# Altium PCB PexCardVer0.1.PcbDoc (part 1 of 3) (continued)
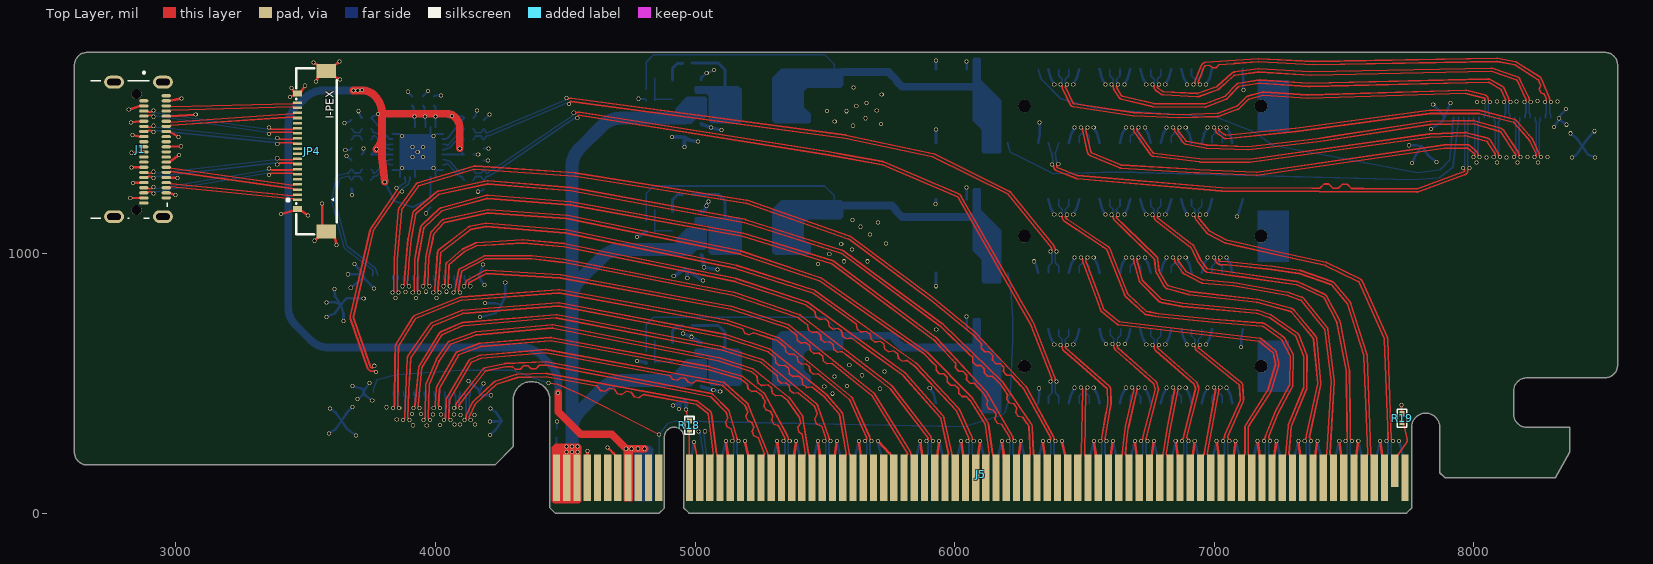
[diagram p0: Top Layer view]
## Nets (pads, with @x,y where several pads share a name; then routed paths per layer and width w, separated by ;. In a path a pad name is that pad's centre, name@x,y a point inside that pad or via, vN(x,y) a via of type N, cw(c..) or ccw(c..) an arc to the next point about the centre after c; other vN are vias at no path point)
GND: C1.1 C2.1 C3.1 C4.1 C5.1 C6.1 C7.1 C8.1 C9.2 C11.1 C12.1 C14.2 C15.2 C16.2 C18.1 C19.1 C21.2 C22.2 C23.2 C25.1 C26.1 C28.2 C29.2 J1.A2 J1.A5 J1.A8 J1.A11 J1.A14 J1.A17 J1.A20 J1.B2 J1.B5 J1.B8 J1.B11 J1.B14 J1.B17 J1.B20 J2.A4 J2.A12 J2.A15 J2.A18 J2.A20 J2.A23 J2.A24 J2.A27 J2.A28 J2.A31 J2.B4 J2.B7 J2.B13 J2.B16 J2.B18 J2.B21 J2.B22 J2.B25 J2.B26 J2.B29 J2.B32 J2.SH1 J3.A4 J3.A12 J3.A15 J3.A18 J3.A20 J3.A23 J3.A24 J3.A27 J3.A28 J3.A31 J3.B4 J3.B7 J3.B13 J3.B16 J3.B18 J3.B21 J3.B22 J3.B25 J3.B26 J3.B29 J3.B32 J3.SH1 J4.A4 J4.A12 J4.A15 J4.A18 J4.A20 J4.A23 J4.A24 J4.A27 J4.A28 J4.A31 J4.B4 J4.B7 J4.B13 J4.B16 J4.B18 J4.B21 J4.B22 J4.B25 J4.B26 J4.B29 J4.B32 J4.SH1 J5.A4 J5.A12 J5.A15 J5.A18 J5.A20 J5.A23 J5.A24 J5.A27 J5.A28 J5.A31 J5.A34 J5.A37 J5.A38 J5.A41 J5.A42 J5.A45 J5.A46 J5.A49 J5.A51 J5.A54 J5.A55 J5.A58 J5.A59 J5.A62 J5.A63 J5.A66 J5.A67 J5.A70 J5.A71 J5.A74 J5.A75 J5.A78 J5.A79 J5.A82 J5.B4 J5.B7 J5.B13 J5.B16 J5.B18 J5.B21 J5.B22 J5.B25 J5.B26 J5.B29 J5.B32 J5.B35 J5.B36 J5.B39 J5.B40 J5.B43 J5.B44 J5.B47 J5.B49 J5.B52 J5.B53 J5.B56 J5.B57 J5.B60 J5.B61 J5.B64 J5.B65 J5.B68 J5.B69 J5.B72 J5.B73 J5.B76 J5.B77 J5.B80 JP1.21 JP1.22 JP1.23 JP1.24 JP2.21 JP2.22 JP2.23 JP2.24 JP3.21 JP3.22 JP3.23 JP3.24 JP4.21 JP4.22 JP4.23 JP4.24 R9.2 R10.2 R11.2 R12.2 R13.2 R14.2 R15.2 R16.2 R17.1 R18.2 R19.2 R21.2 R23.2 R25.2 U1.1 U1.8 U1.9 U1.13 U1.16 U1.17 U1.24 U1.31 U1.33 U2.1 U3.1 U4.1 | length 19260.5
  Top Layer w6.38: v1(4966,400) 4971.35,361.38 R18.2@4978,354.73 ; v1(4996,274) 5007.01,222.89 J5.B13@5017.82,136.08 5017.82,193.56 J5.B13@5022,197.74 ; v1(7721,416) 7721,384.73 R19.2@7723,382.73
  Top Layer w10: v1(2819,1554) 2865.54,1568.32 J1.A2@2877.35,1568.32 ; v1(2825,1213) 2865.54,1213.99 J1.A20@2877.35,1213.99 ; v1(2827,1505) 2865.54,1509.27 J1.A5@2877.35,1509.27 ; v1(2829,1332) 2865.54,1332.1 J1.A14@2877.35,1332.1 ; v1(2830,1388) 2865.54,1391.16 J1.A11@2877.35,1391.16 ; v1(2833,1456) 2865.54,1450.21 J1.A8@2877.35,1450.21 ; v1(2835,1272) 2865.54,1273.05 J1.A17@2877.35,1273.05 ; J1.B20@2963.57,1233.68 2975.38,1233.68 v1(2999,1225) ; J1.B17@2963.57,1292.73 2975.38,1292.73 v1(3007.15,1290.7) ; J1.B14@2963.57,1351.79 2975.38,1351.79 v1(3013,1379) ; J1.B11@2963.57,1410.84 2975.38,1410.84 v1(3021,1413) ; J1.B8@2963.57,1469.9 2975.38,1469.9 v1(3011,1449) ; J1.B5@2963.57,1528.95 2975.38,1528.95 v1(3077,1535) ; J1.B2@2963.57,1588.01 2975.38,1588.01 v1(3023,1597) ; v1(3406.13,1152) 3456.77,1165.73 JP4.23@3469.49,1171.56 3482.21,1165.73 v1(3509,1147) ; v1(3440,1603) 3456.77,1610.61 JP4.21@3469.49,1616.43 ; v1(3446,1638) 3456.77,1622.26 JP4.21@3469.49,1616.43 ; v1(3498,1646) 3482.21,1622.26 JP4.21@3469.49,1616.43 ; v1(3530,1735) 3548.11,1725.61 JP4.22@3580.51,1703.06 ; v1(3535,1049) 3548.11,1062.39 JP4.24@3580.51,1084.94 ; v1(3541,1662) 3548.11,1680.5 JP4.22@3580.51,1703.06 ; v1(3564,1193) 3564,1107.5 JP4.24@3580.51,1084.94 ; v1(3620,1033) 3612.91,1062.39 JP4.24@3580.51,1084.94 ; v1(3631,1740) 3612.91,1725.61 JP4.22@3580.51,1703.06 ; v1(3632,1670) 3612.91,1680.5 JP4.22@3580.51,1703.06 ; J5.B4@4584.75,136.08 4586,221.08 v1(4586,240) ; v1(4663,253) 4681.22,235.08 4686.49,229.8 4693.86,221.08 J5.B7@4702.86,136.08 ; v1(5119.01,278) 5126.93,221.08 J5.B16@5135.93,136.08 ; v1(5192.22,278) 5205.67,221.08 J5.B18@5214.67,136.08 ; v1(5315.86,278) 5323.78,221.08 J5.B21@5332.78,136.08 ; J5.B22@5372.15,136.08 5381.15,221.08 v1(5389.07,278) ; v1(5473.34,278) 5481.26,221.08 J5.B25@5490.26,136.08 ; J5.B26@5529.63,136.08 5538.63,221.08 v1(5546.55,278) ; v1(5630.82,278) 5638.74,221.08 J5.B29@5647.74,136.08 ; v1(5704.03,278) 5749.48,229.8 5756.85,221.08 J5.B32@5765.85,136.08 ; v1(5867.04,278) 5874.96,221.08 J5.B35@5883.96,136.08 ; J5.B36@5923.33,136.08 5932.33,221.08 v1(5940.25,278) ; v1(6024.52,278) 6032.44,221.08 J5.B39@6041.44,136.08 ; J5.B40@6080.81,136.08 6089.81,221.08 v1(6097.73,278) ; v1(6182,278) 6189.92,221.08 J5.B43@6198.92,136.08 ; J5.B44@6238.29,136.08 6247.29,221.08 v1(6255.21,278) ; v1(6339.48,278) 6347.4,221.08 J5.B47@6356.4,136.08 ; v1(6412.69,278) 6426.14,221.08 J5.B49@6435.14,136.08 ; v1(6536.33,278) 6544.25,221.08 J5.B52@6553.25,136.08 ; J5.B53@6592.62,136.08 6601.62,221.08 v1(6609.54,278) ; v1(6693.81,278) 6701.73,221.08 J5.B56@6710.73,136.08 ; J5.B57@6750.1,136.08 6759.1,221.08 v1(6767.02,278) ; v1(6851.29,278) 6859.21,221.08 J5.B60@6868.21,136.08 ; J5.B61@6907.58,136.08 6916.58,221.08 v1(6924.5,278) ; v1(7008.77,278) 7016.69,221.08 J5.B64@7025.69,136.08 ; J5.B65@7065.06,136.08 7074.06,221.08 v1(7081.98,278) ; v1(7166.25,278) 7174.17,221.08 J5.B68@7183.17,136.08 ; J5.B69@7222.54,136.08 7231.54,221.08 v1(7239.47,278) ; v1(7323.73,278) 7331.65,221.08 J5.B72@7340.65,136.08 ; J5.B73@7380.02,136.08 7389.02,221.08 v1(7396.95,278) ; v1(7481.21,278) 7489.13,221.08 J5.B76@7498.13,136.08 ; J5.B77@7537.5,136.08 7546.5,221.08 v1(7554.43,278) ; v1(7638.69,278) 7646.61,221.08 J5.B80@7655.61,136.08
  Bottom Layer w6.38: R17.1@4467,325.73 4468,326.73 v1(4468,353) ; J2.B18@6560.43,710.46 J2.B18@6560.53,710.36 ; J2.B21@6675.91,707.83 J2.B21@6678.54,710.46
  Bottom Layer w8: v1(3650,1503) 3671.16,1508.62 R13.2@3677,1514.46 ; v1(3653,1399) 3671.16,1399.69 R14.2@3677,1405.54 ; v1(3657,1375) 3671.16,1364.31 R15.2@3677,1358.46 ; v1(3704,1548) 3711.72,1527.84 C1.1@3717.57,1522 ; C5.1@3717.57,1381.6 3723,1387.44 v1(3723,1404) ; U1.17@3835.5,1322.09 3862.73,1322.09 3870.65,1330 v1(3871,1330) ; U1.24@3835.5,1459.91 3862.73,1459.91 3870.65,1452 v1(3871,1452) ; U1.16@3863.09,1294.5 3863.09,1321.73 ; v1(3894,1623) 3904.16,1611.28 C2.1@3910,1605.43 ; U1.13@3922.16,1294.5 3922.16,1381.15 v1(3932,1391) ; C6.1@3952,1605.43 3957.84,1611.28 v1(3971,1626) ; v1(3964,1155) 3975.16,1171.72 C4.1@3981,1177.57 ; 3981.22,1432.78 U1.31@3981.22,1487.5 ; v1(3993,1330) 3993.35,1330 4001.27,1322.09 U1.8@4028.5,1322.09 ; v1(3993,1452) 3993.35,1452 4001.27,1459.92 U1.1@4028.5,1459.92 ; C3.1@3994,1605.43 3999.84,1609 v1(4022,1609) ; U1.9@4000.91,1294.5 4000.91,1321.73 ; C7.1@4146.11,1381 v1(4165,1381) ; C8.1@4146.11,1522 4151.95,1527.84 v1(4161,1550) ; v1(4164,1238) 4166.95,1238.86 4180.16,1242.69 R12.2@4186,1248.54 ; R11.2@4186,1357.46 v1(4203.46,1357.46) ; R10.2@4186,1404.54 v1(4204.54,1404.54) ; R9.2@4186,1513.46 4191.84,1519.31 v1(4208,1535) ; v1(4782,1596) 4805.92,1595.84 R25.2@4811.76,1590
  Bottom Layer w10: v1(3580,812) 3613.28,812 JP2.22@3635.84,802.99 ; v1(3581,756) 3613.28,770.59 JP2.22@3635.84,802.99 ; v1(3590,307) 3615.39,323.09 JP3.22@3637.95,355.49 ; v1(3594,403) 3615.39,387.89 JP3.22@3637.95,355.49 ; v1(3611,863) 3613.28,835.39 JP2.22@3635.84,802.99 ; v1(3646,740) 3646,770.59 JP2.22@3635.84,802.99 ; v1(3664,920) 3716.63,920 JP2.21@3722.46,914.01 ; v1(3674,868) 3716.63,901.29 JP2.21@3722.46,914.01 ; R16.2@3677,1249.54 3679,1244.69 v1(3679,1226) ; v1(3681,409) 3660.5,387.89 JP3.22@3637.95,355.49 ; v1(3681,489) 3718.74,479.23 JP3.21@3724.57,466.51 ; v1(3689,959) 3716.63,926.73 JP2.21@3722.46,914.01 ; v1(3695,299) 3660.5,323.09 JP3.22@3637.95,355.49 ; v1(3700,439) 3718.74,453.79 JP3.21@3724.57,466.51 ; v1(3724,827) 3658.4,827 JP2.22@3635.84,802.99 ; v1(3746,502) 3730.39,479.23 JP3.21@3724.57,466.51 ; v1(3757,434) 3730.39,453.79 JP3.21@3724.57,466.51 ; v1(3764,865) 3728.29,901.29 JP2.21@3722.46,914.01 ; v1(4127.89,508.2) 4163.62,479.23 JP3.23@4169.44,466.51 ; v1(4171.42,754.99) 4231.39,770.59 JP2.24@4253.95,802.99 ; v1(4183.72,957.63) 4173.17,926.73 JP2.23@4167.34,914.01 4173.17,901.29 v1(4189,879) ; v1(4186,499) 4175.27,479.23 JP3.23@4169.44,466.51 ; v1(4191,809) 4231.39,809 JP2.24@4253.95,802.99 ; v1(4210,353) 4233.5,353 JP3.24@4256.06,355.49 ; v1(4211,301) 4233.5,323.09 JP3.24@4256.06,355.49 ; v1(4213,403) 4233.5,387.89 JP3.24@4256.06,355.49 ; v1(4215,454) 4175.27,454 JP3.23@4169.44,466.51 ; v1(4269,889) 4269,835.39 JP2.24@4253.95,802.99 ; J5.A4@4584.75,136.08 4593.75,221.08 4585.37,221.08 4585.37,239.37 v1(4586,240) ; J5.A12@4978.45,136.08 4987.45,221.08 v1(4996,274) ; U4.1@5023,1668.4 5023.42,1672.26 5023.42,1676.95 5026.72,1680.26 v1(5045,1695) v1(5073,1706) ; J5.A15@5096.56,201 5105.56,221.08 v1(5119.01,278) ; v1(5192.22,278) 5205.67,221.08 J5.A18@5214.67,136.08 ; J5.A20@5293.41,216 5302.41,221.08 v1(5315.86,278) ; v1(5389.07,278) 5402.52,221.08 J5.A23@5411.52,136.08 ; J5.A24@5450.89,136.08 5459.89,221.08 v1(5473.34,278) ; v1(5546.55,278) 5560,221.08 J5.A27@5569,136.08 ; J5.A28@5608.37,136.08 5617.37,221.08 v1(5630.82,278) ; v1(5704.03,278) 5717.48,221.08 J5.A31@5726.48,136.08 ; J5.A34@5844.59,136.08 5853.59,221.08 v1(5867.04,278) ; v1(5903.89,481.96) 5919.2,458.64 J2.A4@5927.98,424.27 ; v1(5926,1191) 5927.98,1192.98 J3.B4@5927.98,1208.73 ; J2.B4@5927.98,707.73 v1(5929,706.71) ; v1(5927.98,874.02) J3.A4@5927.98,925.27 ; J4.A4@5927.98,1426.27 v1(5927.98,1477.98) ; J4.B4@5927.98,1709.73 v1(5927.98,1744.02) ; v1(5940.25,278) 5953.7,221.08 J5.A37@5962.7,136.08 ; J5.A38@6002.07,136.08 6011.07,221.08 v1(6024.52,278) ; J2.B7@6046.09,707.73 v1(6046.09,757.91) ; J3.B7@6046.09,1208.73 v1(6046.09,1254.91) ; J4.B7@6046.09,1709.73 v1(6046.09,1739.91) ; v1(6097.73,278) 6111.18,221.08 J5.A41@6120.18,136.08 ; J5.A42@6159.55,136.08 6168.55,221.08 v1(6182,278) ; v1(6255.21,278) 6268.66,221.08 J5.A45@6277.66,136.08 ; v1(6305,970) 6312.9,959.64 J3.A12@6321.68,925.27 ; J5.A46@6317.03,136.08 6326.03,221.08 v1(6339.48,278) ; J2.A12@6321.68,424.27 6325,458.64 v1(6325,481) ; J4.A12@6321.68,1426.27 6327,1460.64 v1(6327,1505) ; J2.B13@6361.05,707.73 6369.83,673.36 6369.87,673.29 v1(6383.5,649) ; J3.B13@6361.05,1208.73 6369.83,1174.36 6369.87,1174.29 v1(6383.5,1150) ; J4.B13@6361.05,1709.73 6369.83,1675.36 6369.87,1675.29 v1(6383.5,1651) ; v1(6412.69,278) 6426.14,221.08 J5.A49@6435.14,136.08 ; J2.A15@6439.79,424.27 6448.57,458.64 6448.61,458.71 v1(6462.24,483) ; J3.A15@6439.79,925.27 6448.57,959.64 6448.61,959.71 v1(6462.24,984) ; J4.A15@6439.79,1426.27 6448.57,1460.64 6460.25,1481.46 v1(6462.24,1485) ; v1(6456.71,649) 6470.34,673.29 6470.38,673.36 J2.B16@6479.16,707.73 ; v1(6456.71,1150) 6470.34,1174.29 6470.38,1174.36 J3.B16@6479.16,1208.73 ; v1(6456.71,1651) 6470.34,1675.29 6470.38,1675.36 J4.B16@6479.16,1709.73 ; J5.A51@6513.88,136.08 6522.88,221.08 v1(6536.33,278) ; v1(6535.45,483) 6549.08,458.71 6549.12,458.64 J2.A18@6557.9,424.27 ; v1(6535.45,984) 6549.08,959.71 6549.12,959.64 J3.A18@6557.9,925.27 ; v1(6535.45,1485) 6537.44,1481.46 6549.12,1460.64 J4.A18@6557.9,1426.27 ; J2.B18@6557.9,707.73 6566.68,673.36 6569.25,669.93 v1(6582.88,651.73) ; J3.B18@6557.9,1208.73 6566.68,1174.36 6566.72,1174.29 v1(6580.35,1150) ; J4.B18@6557.9,1709.73 6566.68,1675.36 6566.72,1675.29 v1(6580.35,1651) ; v1(6609.54,278) 6622.99,221.08 J5.A54@6631.99,136.08 ; J2.A20@6636.64,424.27 6645.42,458.64 6645.46,458.71 v1(6659.09,483) ; J3.A20@6636.64,925.27 6645.42,959.64 6645.46,959.71 v1(6659.09,984) ; J4.A20@6636.64,1426.27 6645.42,1460.64 6645.46,1460.71 v1(6659.09,1485) ; v1(6653.56,1150) 6667.19,1174.29 6667.23,1174.36 J3.B21@6676.01,1208.73 ; v1(6653.56,1651) 6667.19,1675.29 6667.23,1675.36 J4.B21@6676.01,1709.73 ; v1(6656.08,651.73) 6667.23,673.36 6669.71,683.09 J2.B21@6676.01,707.73 ; J5.A55@6671.36,136.08 6680.36,221.08 v1(6693.81,278) ; J2.B22@6715.38,707.73 6724.16,673.36 6724.2,673.29 v1(6737.83,649) ; J3.B22@6715.38,1208.73 6724.16,1174.36 6724.2,1174.29 v1(6737.83,1150) ; J4.B22@6715.38,1709.73 6724.16,1675.36 6724.2,1675.29 v1(6737.83,1651) ; v1(6732.3,483) 6745.93,458.71 6745.97,458.64 J2.A23@6754.75,424.27 ; v1(6732.3,984) 6745.93,959.71 6745.97,959.64 J3.A23@6754.75,925.27 ; v1(6732.3,1485) 6745.93,1460.71 6745.97,1460.64 J4.A23@6754.75,1426.27 ; v1(6767.02,278) 6780.47,221.08 J5.A58@6789.47,136.08 ; J2.A24@6794.12,424.27 6802.9,458.64 6802.94,458.71 v1(6816.57,483) ; J3.A24@6794.12,925.27 6802.9,959.64 6802.94,959.71 v1(6816.57,984) ; J4.A24@6794.12,1426.27 6802.9,1460.64 6802.94,1460.71 v1(6816.57,1485) ; v1(6811.04,649) 6824.67,673.29 6824.71,673.36 J2.B25@6833.49,707.73 ; v1(6811.04,1150) 6824.67,1174.29 6824.71,1174.36 J3.B25@6833.49,1208.73 ; v1(6811.04,1651) 6824.67,1675.29 6824.71,1675.36 J4.B25@6833.49,1709.73 ; J5.A59@6828.84,136.08 6837.84,221.08 v1(6851.29,278) ; J2.B26@6872.86,707.73 6881.64,673.36 6881.68,673.29 v1(6895.31,649) ; J3.B26@6872.86,1208.73 6881.64,1174.36 6881.68,1174.29 v1(6895.31,1150) ; J4.B26@6872.86,1709.73 6881.64,1675.36 6881.68,1675.29 v1(6895.31,1651) ; v1(6889.78,483) 6903.41,458.71 6903.45,458.64 J2.A27@6912.23,424.27 ; v1(6889.78,984) 6903.41,959.71 6903.45,959.64 J3.A27@6912.23,925.27 ; v1(6889.78,1485) 6903.41,1460.71 6903.45,1460.64 J4.A27@6912.23,1426.27 ; v1(6924.5,278) 6937.95,221.08 J5.A62@6946.95,136.08 ; J2.A28@6951.6,424.27 6960.38,458.64 6960.42,458.71 v1(6974.05,483) ; J3.A28@6951.6,925.27 6960.38,959.64 6960.42,959.71 v1(6974.05,984) ; J4.A28@6951.6,1426.27 6960.38,1460.64 v1(6974.05,1485) ; v1(6968.52,649) 6982.15,673.29 6982.19,673.36 J2.B29@6990.97,707.73 ; v1(6968.52,1150) 6982.15,1174.29 6982.19,1174.36 J3.B29@6990.97,1208.73 ; v1(6968.52,1651) 6982.15,1675.29 6982.19,1675.36 J4.B29@6990.97,1709.73 ; J5.A63@6986.32,186 6995.32,221.08 v1(7008.77,278) ; v1(7047.26,483) 7060.89,458.71 7060.93,458.64 J2.A31@7069.71,424.27 ; v1(7047.26,984) 7060.89,959.71 7060.93,959.64 J3.A31@7069.71,925.27 ; v1(7047.26,1485) 7060.89,1460.71 7060.93,1460.64 J4.A31@7069.71,1426.27 ; v1(7081.98,278) 7095.43,221.08 J5.A66@7104.43,136.08 ; v1(7088,1142) 7100.3,1174.36 J3.B32@7109.08,1208.73 ; v1(7103,640) 7103,673.36 J2.B32@7109.08,707.73 ; J4.B32@7109.08,1709.73 7112,1675.36 v1(7112,1629) ; J5.A67@7143.8,136.08 7152.8,221.08 v1(7166.25,278) ; v1(7239.47,278) 7252.91,221.08 J5.A70@7261.91,136.08 ; J5.A71@7301.28,136.08 7310.28,221.08 v1(7323.73,278) ; v1(7396.95,278) 7410.39,221.08 J5.A74@7419.39,136.08 ; J5.A75@7458.76,136.08 7467.76,221.08 v1(7481.21,278) ; v1(7554.43,278) 7567.87,221.08 J5.A78@7576.87,136.08 ; J5.A79@7616.24,136.08 7625.24,221.08 v1(7638.69,278) ; v1(7711.91,278) 7725.35,221.08 J5.A82@7734.35,136.08 ; v1(7749,1417) 7776.39,1417 JP1.22@7798.94,1412.49 ; v1(7762,1348) 7776.39,1380.09 JP1.22@7798.94,1412.49 ; v1(7835,1479) 7879.74,1510.79 JP1.21@7885.56,1523.51 ; v1(7843,1574) 7879.74,1536.23 JP1.21@7885.56,1523.51 ; v1(7855,1352) 7821.5,1380.09 JP1.22@7798.94,1412.49 ; v1(7909,1580) 7891.39,1536.23 JP1.21@7885.56,1523.51 ; v1(8308,1487) 8324.62,1510.79 v1(8328,1521) ; v1(8354,1556) 8336.27,1536.23 8329.61,1523.96 v1(8328,1521) ; v1(8356,1496) 8336.27,1510.79 v1(8328,1521) ; v1(8371,1463) 8394.5,1444.89 JP1.24@8417.06,1412.49 ; v1(8378,1369) 8394.5,1380.09 JP1.24@8417.06,1412.49 ; v1(8464,1471) 8439.61,1444.89 JP1.24@8417.06,1412.49 ; v1(8466,1370) 8439.61,1380.09 JP1.24@8417.06,1412.49
  Bottom Layer w15: v1(4776,1063) 4809.42,1081.66 R23.2@4811.76,1084 ; v1(4777,586) 4809.42,581.34 R21.2@4811.76,579 ; v1(4911,1448) 4944.5,1448 C25.1@4962,1446.2 ; v1(4915,415) C11.1@4944.5,425.2 ; v1(4918,913) 4944.5,930.2 C18.1@4962,940.2 ; v1(4938,401) C11.1@4944.5,425.2 ; v1(4953.38,691.71) 4953.7,691.58 4985.45,679.38 v1(4985.82,679.23) 5016.16,658.76 U2.1@5023,657.4 ; v1(4959,1410) 4959,1436.2 C25.1@4962,1446.2 ; v1(4966,400) 4966,425.2 C11.1@4962,435.2 C11.1@4944.5,425.2 ; v1(4970,905) 4970,930.2 C18.1@4962,940.2 ; v1(5012,1431) 4979.5,1436.2 C25.1@4962,1446.2 ; U3.1@5023,1162.4 5035.19,1163.76 5043.86,1183.67 v1(5044,1184) 5044.16,1184.36 5051.37,1200.6 v1(5051.51,1200.92) ; C12.1@5025,488.57 5027.34,486.22 v1(5070.35,474.07) 5070.61,474.01 5070.98,473.93 5072.42,473.6 5096.37,468.14 v1(5097,468) ; C19.1@5025,993.57 5027.34,991.22 v1(5034,947) v1(5087,938) ; C26.1@5025,1499.57 5027.34,1497.22 v1(5060.87,1485.11) v1(5102,1475) ; v1(5030,896) 4979.5,930.2 C18.1@4962,940.2
  other v1: 3966.68,337.86 3913.57,338.61 4017.56,340.28 4073.87,340.78 4095.38,341.09 4152.75,340.9 3851.37,360.46 4151.17,378.41 4071.2,379.29 4097.56,378.71 4021.03,380.15 3909.77,381.43 3990.3,380.58 3945.23,381.59 3812.05,408 5530,460 5712,479 5497.58,487.99 5585,490 5537,526 5643,531 5729,545 5594,571 5663,594 3846.47,828.86 3925.21,828.86 4003.95,828.86 3884.98,852.39 3964.58,852.86 4043.32,852.86 5473,960 5573,970 5664,970 5517,998 5604,1015 5563,1036 5736,1039 5674.24,1073.76 5638,1103 5705,1119 5607,1129 8009.57,1349.86 8088.31,1349.86 8167.06,1349.86 8245.8,1349.86 8125,1369 8049,1370 3912.31,1371.31 3951.69,1371.31 8206,1371 8282.41,1371 3912.31,1410.69 3951.69,1410.69 5608.18,1491.9 5717,1498 5538,1508 5657,1521 5583,1548 5508.87,1549.4 5700,1551 5621,1568 5660,1579 8012.33,1584 8164.28,1585.08 8321.75,1585.13 8088,1586 8245,1587 5719,1613 5610,1639
NetC10_1: C10.1 U2.6 | length 92.6
  Bottom Layer w11.81: U2.6@4913,657.4 4913,702 4932.58,721.58 4950.87,721.58 C10.1@4952.28,723
NetC10_2: C10.2 L1.1 U2.2 | length 287.7
  Bottom Layer w11.81: C10.2@4987.72,723 5090,723 5115,698 5115,562.89 L1.1@5117.89,560 ; U2.2@5012.17,620 U2.2@5023,620
NetC13_1: C13.1 R20.2 R21.1 U2.4 | length 153
  Bottom Layer w6: R21.1@4845.23,579 R21.1@4845.48,579.25 ; R20.2@4845.48,663 R21.1@4845.48,579.25 ; U2.4@4913,582.6 4848.82,582.6 R21.1@4845.48,579.25
NetC17_1: C17.1 U3.6 | length 92.6
  Bottom Layer w11.81: U3.6@4913,1162.4 4913,1207 4932.58,1226.58 4950.87,1226.58 C17.1@4952.28,1228
NetC17_2: C17.2 L2.1 U3.2 | length 287.7
  Bottom Layer w11.81: C17.2@4987.72,1228 5090,1228 5115,1203 5115,1067.89 L2.1@5117.89,1065 ; U3.2@5012.17,1125 U3.2@5023,1125
NetC20_1: C20.1 R22.2 R23.1 U3.4 | length 153
  Bottom Layer w6: R23.1@4845.23,1084 R23.1@4845.48,1084.25 ; R22.2@4845.48,1168 R23.1@4845.48,1084.25 ; U3.4@4913,1087.6 4848.82,1087.6 R23.1@4845.48,1084.25
NetC24_1: C24.1 U4.6 | length 92.6
  Bottom Layer w11.81: U4.6@4913,1668.4 4913,1713 4932.58,1732.58 4950.87,1732.58 C24.1@4952.28,1734
NetC24_2: C24.2 L3.1 U4.2 | length 287.7
  Bottom Layer w11.81: C24.2@4987.72,1734 5090,1734 5115,1709 5115,1573.89 L3.1@5117.89,1571 ; U4.2@5012.17,1631 U4.2@5023,1631
NetC27_1: C27.1 R24.2 R25.1 U4.4 | length 153
  Bottom Layer w6: R25.1@4845.23,1590 R25.1@4845.48,1590.25 ; R24.2@4845.48,1674 R25.1@4845.48,1590.25 ; U4.4@4913,1593.6 4848.82,1593.6 R25.1@4845.48,1590.25
NetJ5_A1: J5.A1 R17.2 | length 128.8
  Bottom Layer w6.38: J5.A1@4466.64,163.63 4466.64,291.91 R17.2@4467,292.27
NetJ5_B12: J5.B12 R18.1 | length 185.4
  Top Layer w6.38: R18.1@4978,321.27 4978,136.52 J5.B12@4978.45,136.08
NetJ5_B81: J5.B81 R19.1 | length 202.2
  Top Layer w6.38: J5.B81@7694.98,163.63 7705.79,222.94 7739.22,270 ccw(c7723.72,281) 7742.28,285.07 7729.65,342.62 R19.1@7723,349.27
NVME_CLKREQ#: J4.B12 JP1.20 | length 1868.4
  Bottom Layer w6: J4.B12@6321.68,1709.73 6332.46,1673.36 6408.85,1596.17 6410.82,1595 6550.46,1558.14 7009.07,1525.07 7156.31,1466.28 7224.92,1416.78 7782.19,1310.98
  Bottom Layer w6.38: 7782.19,1310.98 7854.93,1320.96 7869.76,1323 7871.52,1324.53 7907.2,1360.44 7908.87,1381 7919.26,1508.97 JP1.20@7920.99,1523.5
NVME_PERST#: J4.A11 JP1.19 | length 1969.4
  Bottom Layer w6.38: J4.A11@6203.57,1426.27 6214.16,1390.09 6380.92,1307.08 6383.04,1307.06 6625.18,1314 7768.32,1284.02 7866.56,1291.23 7915.93,1330 7919.31,1332.76 7937.02,1491.76 7938.94,1508.97 JP1.19@7940.68,1523.5
NVME_REFCLK_N: J4.A14 JP1.18 | length 1931.3
  Top Layer w6.38: v1(6398.89,1344.77) 6395.05,1340.31 ccw(c6399.88,1336.15) 6397.53,1330.22 6473.06,1300.24 7028.76,1253.02 ccw(c7029.29,1259.38) 7029.25,1253 7375.95,1251.29 7406.07,1251.14 7422.71,1267.62 7440.71,1267.53 7457.19,1250.89 7476.99,1250.79 7493.64,1267.27 7511.64,1267.18 7528.12,1250.54 7536.94,1250.49 7574.92,1250.31 7777.97,1249.3 7780.54,1249.29 ccw(c7780.6,1255.67) 7782.76,1249.67 ; 7782.79,1249.68 7959.82,1314.33 ; v1(7958,1329) 7962.16,1324.82 cw(c7957.64,1320.32) 7959.83,1314.33
  Bottom Layer w6.38: 6386.92,1384.71 ccw(c6393.3,1384.74) 6387.02,1383.64 6392.03,1354.84 cw(c6373.55,1351.63) 6392.25,1353.05 cw(c6379.91,1352.09) 6392.26,1352.99 ccw(c6398.62,1353.45) 6394.44,1348.63 v1(6398.89,1344.77) ; 6386.92,1384.74 cw(c6393.3,1384.74) 6389.83,1390.09 J4.A14@6400.42,1426.27 ; v1(7958,1329) 7958,1331.41 7964.02,1337.42 7964.02,1507.06 7960.36,1510.7 JP1.18@7960.36,1523.5
NVME_REFCLK_P: J4.A13 JP1.17 | length 1942.8
  Top Layer w6.38: v1(6374.54,1343) 6378.99,1339.14 cw(c6374.81,1334.32) 6381.17,1334.81 ccw(c6399.88,1336.15) 6392.96,1318.71 6468.48,1288.73 ccw(c6473.06,1300.24) 6471.94,1287.91 ccw(c6473.06,1300.24) 6472.01,1287.9 7027.72,1240.68 ccw(c7029.29,1259.38) 7029.19,1240.62 7780.46,1236.91 ccw(c7780.6,1255.67) 7787.03,1238.05 7964.07,1302.7 ccw(c7957.64,1320.32) 7976.4,1320.32 cw(c7982.77,1320.32) 7978.25,1324.82 v1(7982.41,1329)
  Bottom Layer w6.38: J4.A13@6361.05,1426.27 J4.A13@6371.64,1390.09 ; J4.A13@6371.66,1390.07 cw(c6368.16,1384.74) 6374.54,1384.74 ccw(c6393.3,1384.74) 6374.82,1381.52 6379.83,1352.72 cw(c6373.55,1351.63) 6379.91,1352.09 ; v1(6374.54,1343) 6378.38,1347.47 ccw(c6373.55,1351.63) 6379.91,1352.07 ; JP1.17@7980.05,1523.5 7980.05,1510.7 7976.4,1507.06 7976.4,1337.42 7982.41,1331.41 v1(7982.41,1329)
NVME_RX0_N: J4.B15 JP1.13 | length 1861.7
  Top Layer w6.38: v1(6432.31,1650.32) 6428.15,1646.15 ccw(c6432.67,1641.64) 6426.93,1638.85 6455.24,1580.65 ccw(c6460.98,1583.44) 6460.01,1577.14 6687.67,1543.05 ; 6687.69,1543.05 ccw(c6688.62,1549.36) 6688.33,1542.98 6863.75,1535.01 ccw(c6864.04,1541.38) 6864.26,1535.01 7011.98,1539.97 ccw(c7011.77,1546.34) 7013.96,1540.35 7085.67,1566.52 ; 7085.68,1566.52 ccw(c7083.45,1572.5) 7087.96,1567.98 7121.82,1601.82 ; 7121.84,1601.84 cw(c7135.08,1588.55) 7130.02,1606.62 7183.6,1621.62 cw(c7186.94,1609.7) 7183.75,1621.66 cw(c7188.62,1603.55) 7189.87,1622.27 7275.85,1616.35 7359,1610.63 ccw(c7359.44,1616.99) 7359.66,1610.62 7966.56,1628.96 cw(c7966.94,1616.58) 7966.75,1628.96 cw(c7967.09,1610.2) 7971.69,1628.39 8040.94,1610.87 cw(c8036.38,1592.68) 8055.14,1592.68 ccw(c8061.52,1592.68) 8056.99,1588.18 v1(8061.15,1584)
  Bottom Layer w6.38: v1(6432.31,1650.32) 6432.31,1652.73 6426.29,1658.74 6426.29,1670.65 6439.79,1684.14 J4.B15@6439.79,1709.73 ; JP1.13@8058.78,1523.5 8058.78,1536.3 8055.14,1539.94 8055.14,1575.58 8061.15,1581.59 v1(8061.15,1584)
NVME_RX0_P: J4.B14 JP1.14 | length 1861.7
  Top Layer w6.38: v1(6407.9,1650.32) 6412.05,1646.15 cw(c6407.53,1641.64) 6413.91,1641.64 ccw(c6432.67,1641.64) 6415.8,1633.44 6444.11,1575.24 ccw(c6460.98,1583.44) 6458.16,1564.9 6685.84,1530.8 ccw(c6688.62,1549.36) 6687.77,1530.62 6863.19,1522.64 ccw(c6864.04,1541.38) 6864.67,1522.64 7012.4,1527.59 ccw(c7011.77,1546.34) 7018.2,1528.72 7089.92,1554.89 ccw(c7085.67,1566.52) 7090.05,1554.94 ccw(c7083.45,1572.5) 7096.71,1559.23 7130.57,1593.06 cw(c7135.08,1588.55) 7133.36,1594.69 7186.94,1609.7 cw(c7188.62,1603.55) 7189.06,1609.91 7275,1604 ; 7275.05,1604 7358.15,1598.28 ccw(c7359.44,1616.99) 7360.06,1598.24 7966.94,1616.58 cw(c7967.09,1610.2) 7968.65,1616.39 8037.91,1598.87 cw(c8036.38,1592.68) 8040.9,1588.18 v1(8036.74,1584)
  Bottom Layer w6.38: J4.B14@6400.42,1709.73 6400.42,1684.14 6413.91,1670.65 6413.91,1658.74 6407.9,1652.73 v1(6407.9,1650.32) ; v1(8036.74,1584) 8036.74,1581.59 8042.76,1575.58 8042.76,1539.94 8039.1,1536.3 JP1.14@8039.1,1523.5
NVME_RX1_N: J4.B20 JP1.9 | length 1756.5
  Top Layer w6.38: v1(6629.16,1650.32) 6625,1646.15 ccw(c6629.52,1641.64) 6624.05,1638.36 6642,1608.47 ; 6642.03,1608.43 ccw(c6647.47,1611.76) 6645.99,1605.55 6763.32,1578.16 ; 6763.34,1578.15 ccw(c6764.77,1584.37) 6764.73,1577.99 6962.78,1576.01 ccw(c6962.85,1582.39) 6965.16,1576.45 7040.63,1605.47 ccw(c7038.34,1611.43) 7043,1607.07 7083.49,1650.39 cw(c7092.54,1641.93) 7083.55,1650.44 cw(c7097.19,1637.56) 7094.33,1656.11 7172.41,1668.13 cw(c7174.3,1655.89) 7172.56,1668.15 cw(c7175.24,1649.58) 7176.59,1668.29 7363.56,1655.37 ; 7363.58,1655.37 ccw(c7364,1661.74) 7364.15,1655.36 8054.23,1671.96 cw(c8054.53,1659.58) 8054.35,1671.96 cw(c8054.67,1653.2) 8063.92,1669.52 8108.98,1643.98 cw(c8102.87,1633.21) 8109.2,1643.85 cw(c8099.68,1627.68) 8116.84,1635.25 8132.28,1600.25 cw(c8115.11,1592.68) 8133.88,1592.68 ccw(c8140.26,1592.68) 8135.73,1588.18 v1(8139.89,1584)
  Bottom Layer w6.38: v1(6629.16,1650.32) 6629.16,1652.73 6623.14,1658.74 6623.14,1670.65 6636.64,1684.14 J4.B20@6636.64,1709.73 ; JP1.9@8137.52,1523.5 8137.52,1536.3 8133.88,1539.94 8133.88,1575.58 8139.89,1581.59 v1(8139.89,1584)
NVME_RX1_P: J4.B19 JP1.10 | length 1756.5
  Top Layer w6.38: v1(6604.75,1650.32) 6608.9,1646.15 cw(c6604.38,1641.64) 6610.76,1641.64 ccw(c6629.52,1641.64) 6613.44,1631.99 6631.39,1602.1 6631.44,1602.02 ccw(c6647.47,1611.76) 6643.15,1593.5 6760.5,1566.1 ccw(c6764.77,1584.37) 6764.64,1565.61 6962.66,1563.63 6962.73,1563.63 ccw(c6962.85,1582.39) 6969.61,1564.89 7045.07,1593.92 ccw(c7038.34,1611.43) 7052.04,1598.62 7092.54,1641.93 cw(c7097.19,1637.56) 7096.21,1643.87 7174.3,1655.89 cw(c7175.24,1649.58) 7175.71,1655.94 7362.7,1643.02 ; 7362.73,1643.02 7362.78,1643.02 ccw(c7364,1661.74) 7364.45,1642.98 8054.53,1659.58 cw(c8054.67,1653.2) 8057.82,1658.75 8102.87,1633.21 cw(c8099.68,1627.68) 8105.51,1630.26 8120.95,1595.25 cw(c8115.11,1592.68) 8119.64,1588.18 v1(8115.48,1584)
  Bottom Layer w6.38: J4.B19@6597.27,1709.73 6597.27,1684.14 6610.76,1670.65 6610.76,1658.74 6604.75,1652.73 v1(6604.75,1650.32) ; v1(8115.48,1584) 8115.48,1581.59 8121.49,1575.58 8121.49,1539.94 8117.85,1536.3 JP1.10@8117.85,1523.5
NVME_RX2_N: J4.B24 JP1.5 | length 1680.5
  Top Layer w6.38: v1(6786.64,1650.32) 6782.48,1646.15 ccw(c6787,1641.64) 6783.39,1636.38 6801.01,1624.31 ccw(c6804.62,1629.57) 6804.28,1623.2 6933.71,1616.07 ; 6933.73,1616.07 ccw(c6934.06,1622.44) 6936.22,1616.44 ; 6936.23,1616.44 7008.83,1642.58 ccw(c7006.64,1648.57) 7010.91,1643.83 7067.53,1694.68 cw(c7080.05,1680.71) 7077.63,1699.31 7168.8,1711.2 cw(c7170.4,1698.92) 7168.97,1711.22 cw(c7171.18,1692.59) 7172.31,1711.32 7371.48,1699.37 ccw(c7371.86,1705.74) 7371.99,1699.36 8064.87,1713.98 cw(c8065.13,1701.6) 8064.99,1713.98 cw(c8065.25,1695.22) 8071.35,1712.96 8166.27,1680.64 cw(c8162.28,1668.92) 8166.46,1680.58 cw(c8160.19,1662.9) 8177.1,1671.01 8210.76,1600.81 cw(c8193.85,1592.68) 8212.61,1592.68 ccw(c8219,1592.68) 8214.47,1588.18 v1(8218.63,1584)
  Bottom Layer w6.38: v1(6786.64,1650.32) 6786.64,1652.73 6780.62,1658.74 6780.62,1670.65 6794.12,1684.14 J4.B24@6794.12,1709.73 ; JP1.5@8216.26,1523.5 8216.26,1536.3 8212.61,1539.94 8212.61,1575.58 8218.63,1581.59 v1(8218.63,1584)
NVME_RX2_P: J4.B23 JP1.6 | length 1680.5
  Top Layer w6.38: v1(6762.23,1650.32) 6766.38,1646.15 cw(c6761.86,1641.64) 6768.24,1641.64 ccw(c6787,1641.64) 6776.39,1626.17 6794.01,1614.1 ccw(c6804.62,1629.57) 6803.61,1610.83 6933.03,1603.71 ccw(c6934.06,1622.44) 6940.42,1604.79 7013.02,1630.93 ; 7013.03,1630.93 ccw(c7008.83,1642.58) 7013.08,1630.95 ccw(c7006.64,1648.57) 7019.18,1634.62 7075.8,1685.47 ; 7075.81,1685.48 cw(c7080.05,1680.71) 7079.23,1687.04 7170.4,1698.92 cw(c7171.18,1692.59) 7171.59,1698.96 7370.74,1687.02 ccw(c7371.86,1705.74) 7372.25,1686.99 8065.13,1701.6 cw(c8065.25,1695.22) 8067.3,1701.26 8162.28,1668.92 cw(c8160.19,1662.9) 8165.92,1665.69 ; 8165.93,1665.69 8199.6,1595.45 cw(c8193.85,1592.68) 8198.38,1588.18 v1(8194.22,1584)
  Bottom Layer w6.38: J4.B23@6754.75,1709.73 6754.75,1684.14 6768.24,1670.65 6768.24,1658.74 6762.23,1652.73 v1(6762.23,1650.32) ; v1(8194.22,1584) 8194.22,1581.59 8200.24,1575.58 8200.24,1539.94 8196.58,1536.3 JP1.6@8196.58,1523.5
NVME_RX3_N: J4.B27 JP1.1 | length 1647.1
  Top Layer w6.38: v1(6919.71,1650.32) 6923.86,1654.5 ccw(c6919.34,1659) 6925.72,1659 cw(c6944.48,1659) 6927.01,1665.82 6949.8,1724.2 cw(c6967.28,1717.38) 6965.96,1736.09 7168.74,1750.32 cw(c7169.61,1737.97) 7168.84,1750.33 cw(c7170.04,1731.61) 7171.06,1750.34 7383.42,1739.37 ; 7383.45,1739.37 ccw(c7383.75,1745.75) 7383.86,1739.37 8087.34,1751.99 cw(c8087.56,1739.61) 8087.42,1751.99 cw(c8087.67,1733.23) 8091.16,1751.66 8159.23,1738.77 cw(c8156.92,1726.6) 8163.53,1737.07 8253.51,1680.27 cw(c8246.9,1669.8) 8258.3,1674.63 8289.87,1599.98 cw(c8272.59,1592.68) 8291.35,1592.68 ccw(c8297.74,1592.68) 8293.21,1588.18 v1(8297.37,1584)
  Bottom Layer w6.38: J4.B27@6912.23,1709.73 6912.23,1684.14 6925.72,1670.65 6925.72,1658.74 6919.71,1652.73 v1(6919.71,1650.32) ; JP1.1@8295,1523.5 8295,1536.3 8291.35,1539.94 8291.35,1575.58 8297.37,1581.59 v1(8297.37,1584)
NVME_RX3_P: J4.B28 JP1.2 | length 1625.3
  Top Layer w6.38: v1(6944.12,1650.32) 6939.95,1654.51 cw(c6944.48,1659) 6938.54,1661.32 6961.33,1719.7 cw(c6967.28,1717.38) 6966.83,1723.74 6981.79,1724.79 6993.11,1714.96 7008.08,1716.01 7017.91,1727.33 7073.06,1731.2 7077.47,1731.51 7169.61,1737.97 cw(c7170.04,1731.61) 7170.4,1737.98 7382.78,1727.01 7382.84,1727.01 ccw(c7383.75,1745.75) 7384.08,1726.99 8087.56,1739.61 cw(c8087.67,1733.23) 8088.82,1739.51 8156.92,1726.6 8246.9,1669.8 8250.86,1660.44 8256.7,1646.62 8251.37,1633.47 8257.22,1619.66 8270.36,1614.33 8276.21,1600.51 8278.47,1595.16 cw(c8272.59,1592.68) 8277.12,1588.18 v1(8272.96,1584)
  Bottom Layer w6.38: v1(6944.12,1650.32) 6944.12,1652.73 6938.1,1658.74 6938.1,1670.65 6951.6,1684.14 J4.B28@6951.6,1709.73 ; v1(8272.96,1584) 8272.96,1581.59 8278.98,1575.58 8278.98,1539.94 8275.33,1536.3 JP1.2@8275.33,1523.5
NVME_TX0_N: J4.A17 JP1.15 | length 1860
  Top Layer w6.38: v1(6511.05,1485.68) 6506.89,1481.5 ccw(c6511.41,1477) 6505.18,1475.63 6523.37,1393.19 ccw(c6529.6,1394.56) 6527.12,1388.68 6639.01,1341.42 ; 6641.09,1340.93 6923.99,1323.9 6942.56,1323.08 7162.65,1313.28 ccw(c7162.91,1319.65) 7163.82,1313.34 7884.17,1417.62 cw(c7885.98,1405.37) 7885.8,1417.75 ; 7885.85,1417.75 7972.31,1418.63 cw(c7972.47,1399.87) 7984.24,1414.48 cw(c7976.5,1404.82) 7984.36,1414.38 8008.93,1394.16 cw(c7997.01,1379.68) 8015.77,1379.68 ccw(c8022.15,1379.68) 8017.62,1375.18 v1(8021.78,1371)
  Bottom Layer w6.38: v1(6511.05,1485.68) 6511.05,1483.27 6505.03,1477.26 6505.03,1465.35 6518.53,1451.86 J4.A17@6518.53,1426.27 ; JP1.15@8019.41,1523.5 8019.41,1510.7 8015.77,1507.06 8015.77,1379.42 8021.78,1373.41 v1(8021.78,1371)